# KiCad board dilemma.kicad_pcb (continued)
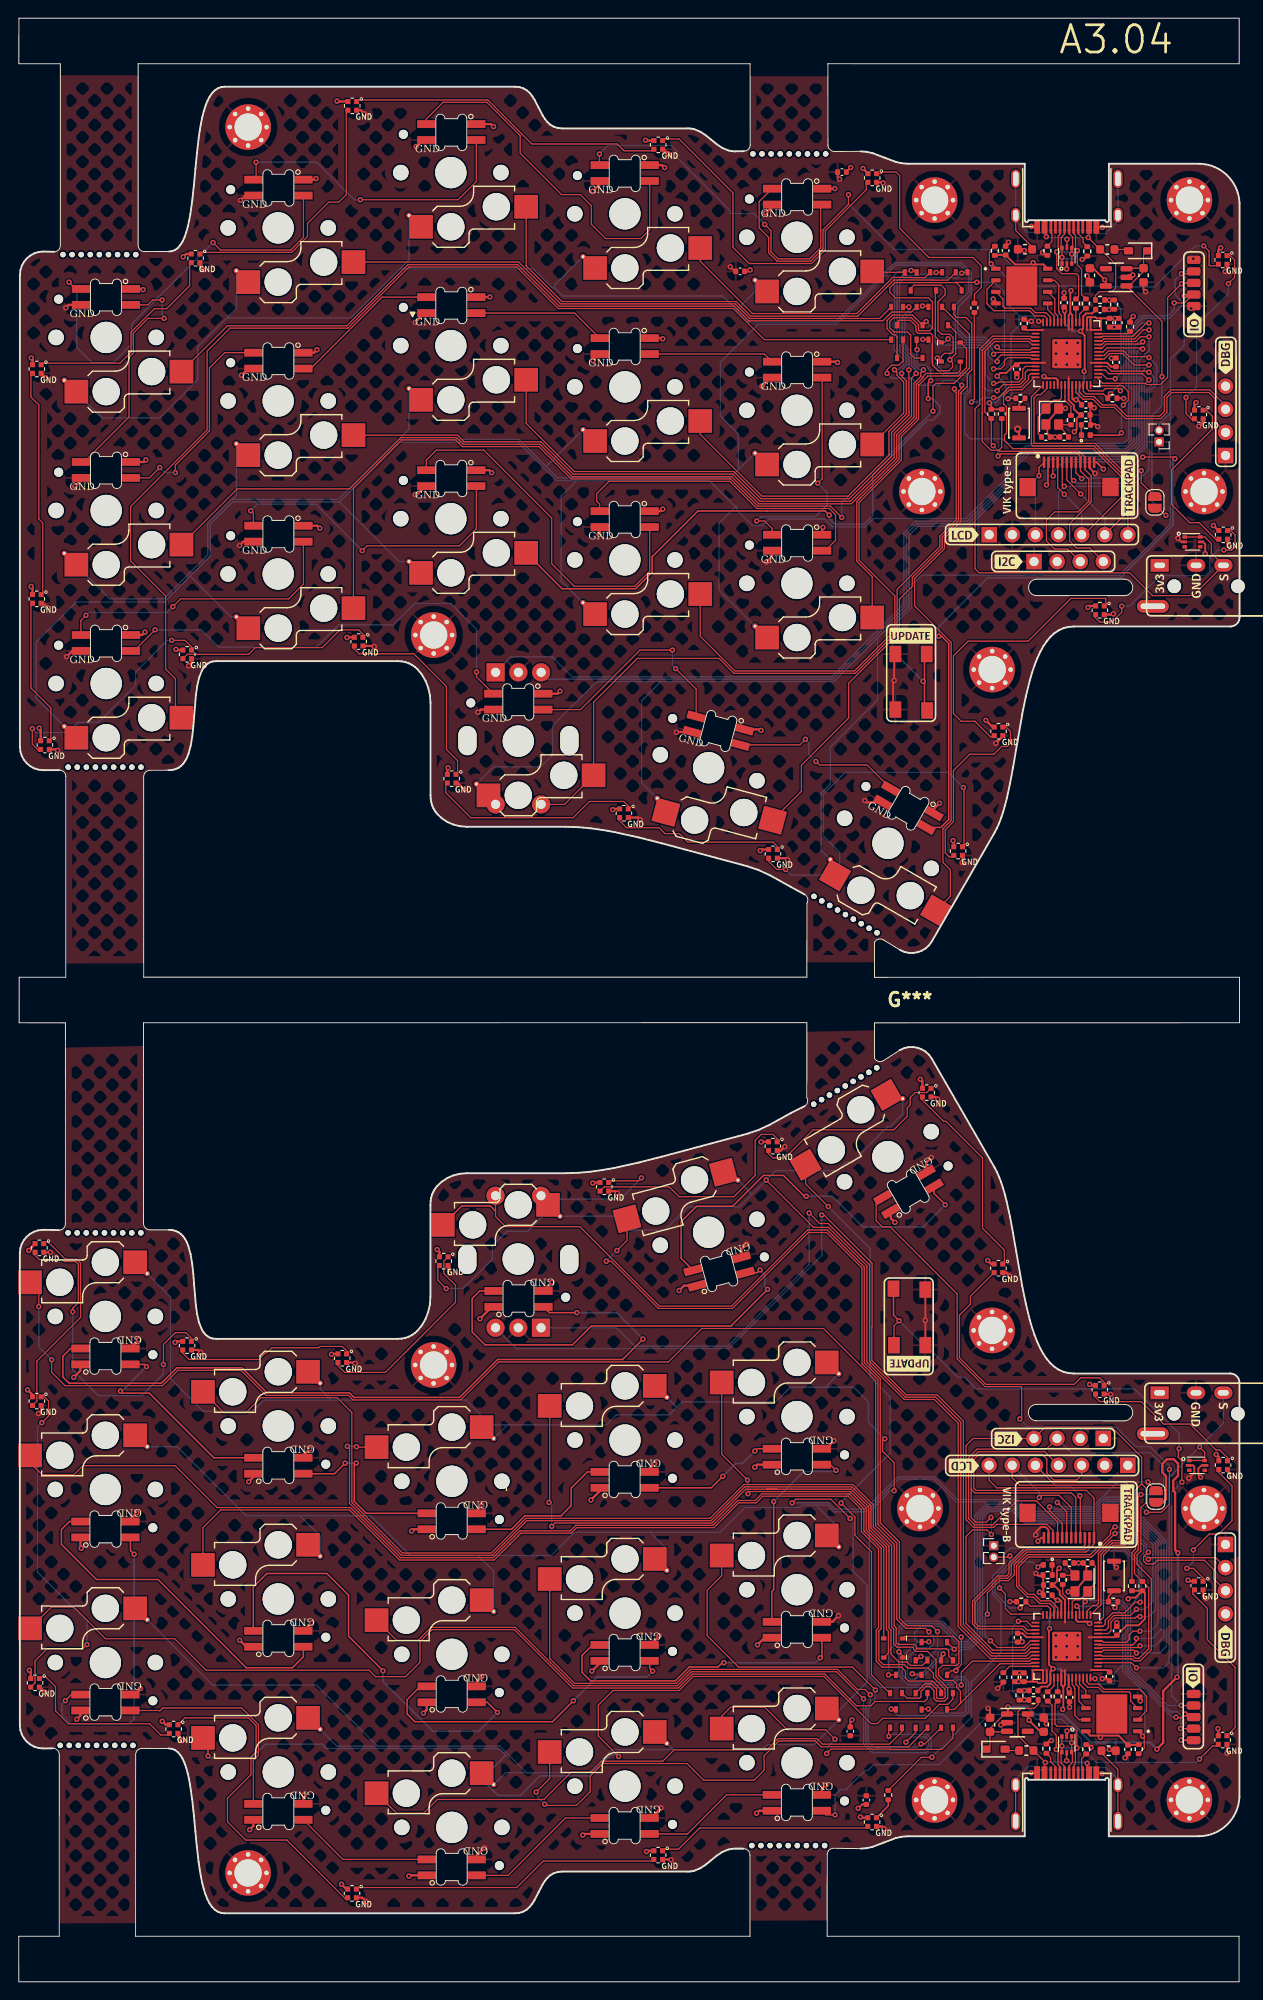
[diagram p0: board, top side]
## Routing (per net, layer and track width the routed paths; a pad name or vN(x,y) marks a point on that pad's centre or on a via; arc(x,y) is an arc through that point) (continued)
Net-(D5047-DOUT): length 25.3
  Top w0.13: D5048.3 74.44,141.93 v1(72.18,144.19) ; v1(71.83,146.22) 68.26,146.22 61.72,139.69 D5047.1
  Bottom w0.13: v1(72.18,144.19) 71.83,144.54 v1(71.83,146.22)
Net-(D5049-DOUT): length 15.2
  Top w0.13: D5049.1 77.77,20.53 73.48,16.24 D5052.3
Net-(D5050-DIN): length 35.2
  Top w0.16: v1(69.65,34.11) 69.32,34.43 D5050.3 ; D5064.1 44.13,32.44 42.67,30.98 42.67,29.41 43.53,28.55 58.64,28.55 v1(60.95,30.86)
  Bottom w0.16: v1(60.95,30.86) 63.57,33.48 69.02,33.48 v1(69.65,34.11)
Net-(D5050-DOUT): length 34.2
  Top w0.16: v1(88.07,35.57) 88.25,35.75 D5053.3 ; D5050.1 63.05,36.99 61.89,35.83 61.89,33.98 62.83,33.04 72.15,33.04 73.68,34.57 76.84,34.57 77.31,35.04 v1(77.49,35.04)
  Bottom w0.16: v1(77.49,35.04) 87.54,35.04 v1(88.07,35.57)
Net-(D5051-DIN): length 42.9
  Top w0.16: v1(101.81,85.32) 100.58,86.55 D5051.3 ; D5066.1 72.79,79.43 72.79,83.47 74.48,85.16 78.45,85.16 81.83,88.54 84.03,88.54 86.32,86.25 v1(86.53,86.25)
  Bottom w0.16: v1(86.53,86.25) 89.39,86.25 92.76,82.88 99.37,82.88 v1(101.81,85.32)
Net-(D5052-DOUT): length 16.1
  Top w0.13: D5052.1 60.08,17.99 53.78,11.69 D5054.3
Net-(D5053-DOUT): length 23.4
  Top w0.16: D5055.3 89.18,56.78 v1(89.8,56.16) ; v1(82.95,52.73) 82.95,43.04 82.75,42.84 D5053.1
  Bottom w0.16: v1(89.8,56.16) 89.67,56.03 86.25,56.03 v1(82.95,52.73)
Net-(D5054-DOUT): length 15.4
  Top w0.13: D5056.3 35.62,13.44 D5054.1
Net-(D5055-DOUT): length 15.2
  Top w0.16: D5057.3 76.1,54.24 v1(77.36,55.5) ; v1(80.88,58.27) 81.14,58.53 D5055.1
  Bottom w0.16: v1(80.88,58.27) 79.52,56.91 78.77,56.91 v1(77.36,55.5)
Net-(D5056-DOUT): length 23.9
  Top w0.13: D5056.1 25.77,24.32 26.34,24.88 26.34,28.23 24.5,30.07 15.84,30.07 15.53,29.76 15.43,29.76 15.4,29.79 D5058.3
Net-(D5057-DOUT): length 17.2
  Top w0.16: D5057.1 62.48,55.99 60.7,54.21 60.7,52.28 59.58,51.16 55.62,51.16 54.14,49.69 D5059.3
Net-(D5058-DOUT): length 32.3
  Top w0.16: D5058.1 5.79,31.54 v1(5.12,30.87) ; D5060.3 12.27,47.34 v1(12.68,46.94)
  Bottom w0.16: v1(12.68,46.94) 12.68,28.88 12.11,28.31 5.73,28.31 4.73,29.31 4.73,30.48 v1(5.12,30.87)
Net-(D5059-DOUT): length 19.1
  Top w0.16: v1(35.85,56.94) 34.7,55.79 D5061.3 ; v1(37.09,56.95) 36.87,56.73 36.87,52.75 38.19,51.44 D5059.1
  Bottom w0.16: v1(35.85,56.94) 35.86,56.95 v1(37.09,56.95)
Net-(D5060-DOUT): length 37.9
  Top w0.16: D5062.3 31.27,35.69 30.07,34.48 24.99,34.48 15.3,44.17 8.54,44.17 4.69,48.02 4.69,49.66 5.57,50.54 D5060.1
Net-(D5061-DOUT): length 23.5
  Top w0.16: v1(11.17,64.85) 11.39,64.63 14.35,64.63 21.44,57.54 D5061.1 ; v1(14.04,67.55) 13.8,67.79 D5063.3
  Bottom w0.16: v1(11.17,64.85) 11.34,64.85 v1(14.04,67.55)
Net-(D5062-DOUT): length 46.3
  Top w0.16: D5062.1 25.77,43.35 27.26,44.83 33.86,44.83 36.24,42.45 36.24,37.94 v1(40.03,34.15) ; D5064.3 51.48,30.69 v1(52.6,29.57)
  Bottom w0.16: v1(40.03,34.15) 40.03,32.97 45.49,27.51 50.54,27.51 v1(52.6,29.57)
Net-(D5063-DOUT): length 85.7
  Top w0.16: D5065.3 58.3,73.47 v1(61.32,73.47) ; D5063.1 5.7,69.54 4.85,68.69 4.85,66.41 5.54,65.72 15.68,65.72 17.37,67.41 24.53,67.41 27.28,64.66 36.33,64.66 36.83,64.16 48.45,64.16 52.62,68.33 66.35,68.33 v1(68.59,70.57)
  Bottom w0.16: v1(61.32,73.47) 65.69,73.47 v1(68.59,70.57)
Net-(D5065-DOUT): length 46.2
  Top w0.16: v1(82.28,76.03) 78.32,72.07 78.32,72 62.91,72 60.84,69.93 51.24,69.93 49.82,71.35 49.82,75.02 50.65,75.85 D5065.1 ; v1(81.45,78.16) 81.15,77.86 D5066.3
  Bottom w0.16: v1(81.45,78.16) 81.98,77.63 81.98,76.33 v1(82.28,76.03)
Net-(J1-CC1): length 2.6
  Top w0.13: J1.A5 116.41,191.97 116.94,191.44 116.94,190.98 R4.1
Net-(J1-CC2): length 2.3
  Top w0.13: R5.1 113.53,191.08 113.53,191.96 113.41,192.08 J1.B5
Net-(J1-SHIELD): length 26.3
  Top w0.13: 111.53,190.31 109.54,192.3 J1.S1
  Bottom w0.13: J1.S1 J1.S1 109.54,193.37 110.82,192.09 112.37,192.09 112.59,192.31 118.09,192.31 118.45,191.95 119.4,191.95 120.78,193.34 J1.S1 J1.S1
Net-(J113-Pin_7): length 13.7
  Top w0.13: NA_JP5004.2 123.34,164.59 v1(123.34,165.92) ; J113.7 115.66,165.1 v1(115.92,164.83)
  Bottom w0.13: v1(115.92,164.83) 116.2,164.56 121.98,164.56 v1(123.34,165.92)
Net-(J5001-CC1): length 2.6
  Top w0.13: J5001.A5 113.91,23.63 113.38,24.16 113.38,24.62 R5005.1
Net-(J5001-CC2): length 2.3
  Top w0.13: J5001.B5 116.91,23.52 116.79,23.64 116.79,24.52 R5004.1
Net-(J5001-SHIELD): length 25.1
  Top w0.13: 109.53,17.63 109.53,21.63 ; 118.79,25.29 120.78,23.3 J5001.S1 ; 120.77,17.63 120.77,21.63
  Bottom w0.13: 120.78,22.23 119.5,23.51 117.95,23.51 117.73,23.29 112.23,23.29 111.87,23.65 110.92,23.65 109.54,22.26
Net-(J5007-Pin_7): length 16.9
  Top w0.13: v1(124.08,54.88) 124.08,54.8 NA_JP5003.2 ; v1(114.12,52.63) 115.15,51.6 J5007.7
  Bottom w0.13: v1(124.08,54.88) 120.76,54.88 118.03,52.16 114.59,52.16 v1(114.12,52.63)
Net-(R3-Pad1): length 1.4
  Top w0.16: R3.1 109.91,173.2 SW1.2
Net-(R5003-Pad1): length 1.5
  Top w0.16: SW5001.2 119.75,42.33 R5003.1
Net-(U1-USB_DM): length 1.9
  Top w0.13: R7.2 117.21,183.76 116.56,183.11 U1.46
Net-(U1-USB_DP): length 1.6
  Top w0.13: U1.47 R6.2
Net-(U1-XIN): length 7.3
  Top w0.13: U1.20 114.56,173.87 114.36,173.67 113.71,173.67 112.86,172.82 Y1.1 112.86,172.67 112.01,171.82 112.01,169.99 C3.1
Net-(U1-XOUT): length 3.6
  Top w0.13: R8.2 115.61,172.98 114.96,173.63 U1.21
Net-(U5002-USB_DM): length 1.9
  Top w0.13: U5002.46 113.76,32.49 113.11,31.84 R5007.2
Net-(U5002-USB_DP): length 1.6
  Top w0.13: U5002.47 R5006.2
Net-(U5002-XIN): length 7.3
  Top w0.13: C5005.1 118.31,45.61 118.31,43.78 117.46,42.93 Y5001.1 117.46,42.78 116.61,41.93 115.96,41.93 115.76,41.73 U5002.20
Net-(U5002-XOUT): length 3.6
  Top w0.13: R5008.2 114.71,42.61 115.36,41.96 U5002.21

## Copper pours and planes (outline as drawn; the poured copper is in the pictures)
+3V3 on Top: 117.96,175.94 112.36,175.94 112.36,181.54 117.96,181.54
+3V3 on In1.Cu: 135.17,111.49 -2.11,111.49 -0.12,208.44 135.97,208.44
+3V3_L on Top: 112.36,39.66 117.96,39.66 117.96,34.06 112.36,34.06
+3V3_L on In1.Cu: -1.55,102.64 52.88,100.65 135,105.55 135.13,6.21 -0.76,5.95
GND on Top, Bottom, In2.Cu: 136.03,209.15 135.03,112 -2.05,111.8 -0.26,209.35
GND_L on Top, Bottom, In2.Cu: -1.4,102.43 135.16,105.34 134.73,6.92 -0.63,6.39

## Text on the board
B.Silkscreen: L | A3.04 | DESIGN BY Q LEBASTARD / BASTARDKB 2025 | ORIGINAL DILEMMA REV 3.1
F.Silkscreen: L | A3.04 | -100 move
